# KiCad board ButterStick.kicad_pcb (continued)
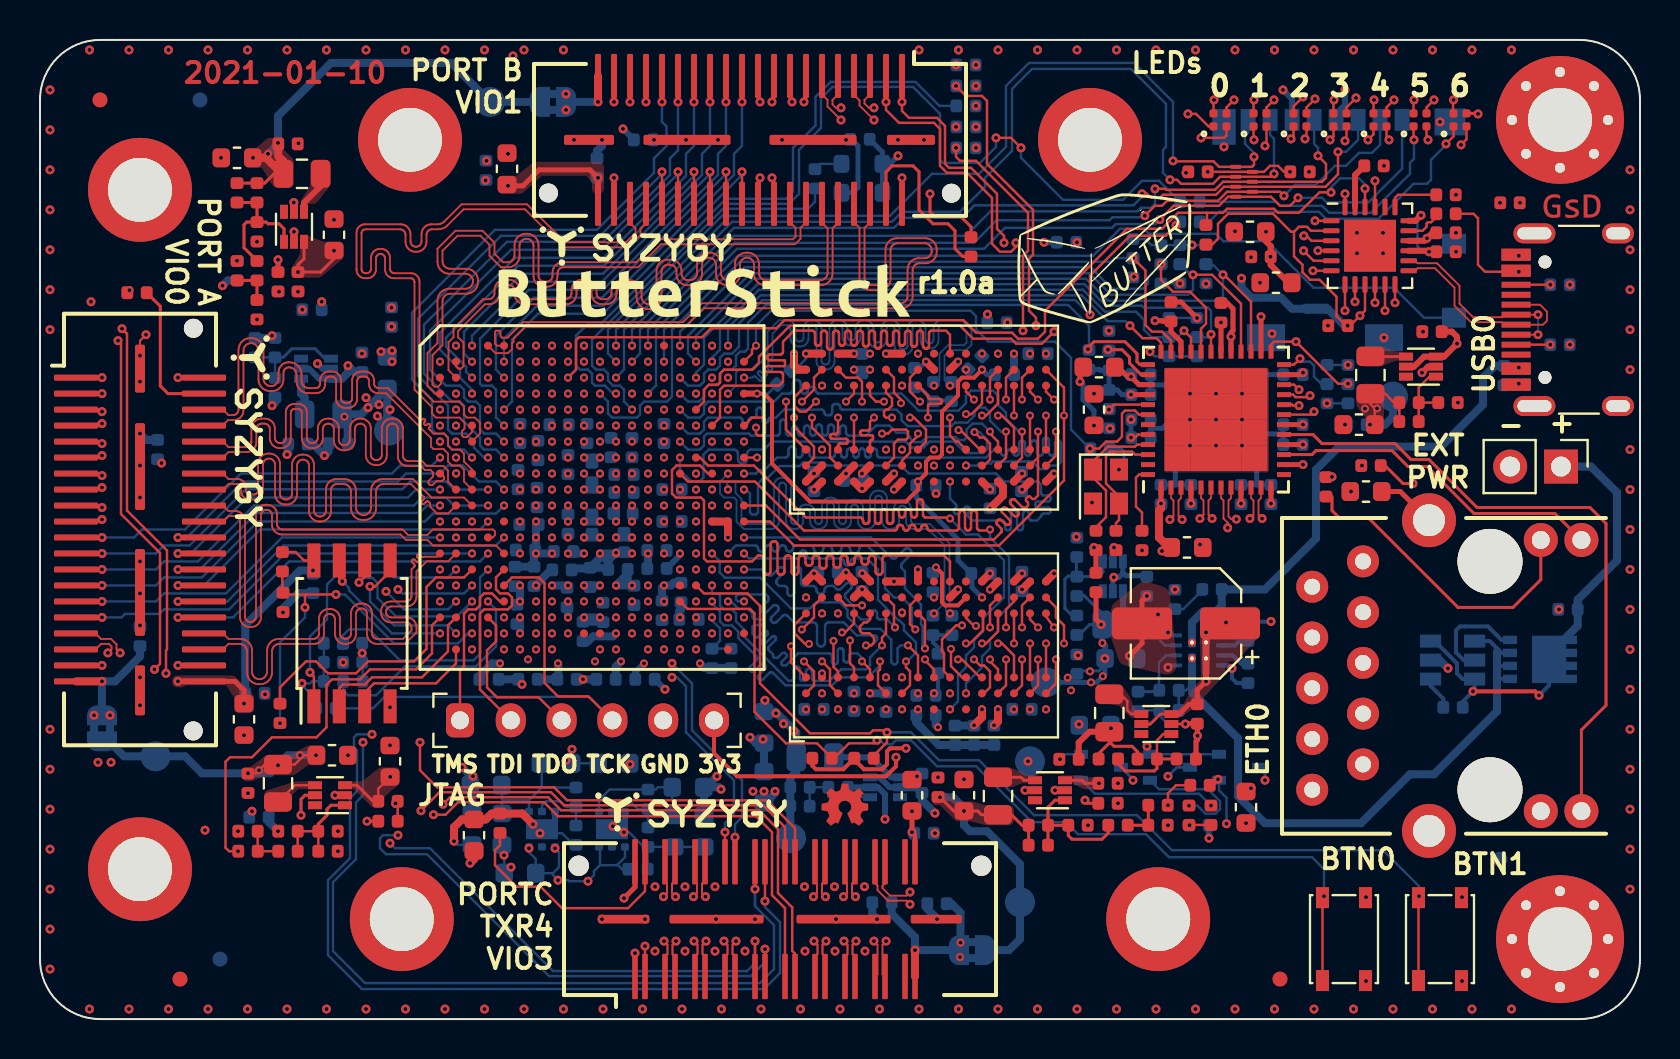
[diagram p0: board, top side]
## Routing (per net, layer and track width the routed paths; a pad name or vN(x,y) marks a point on that pad's centre or on a via; arc(x,y) is an arc through that point) (continued)
/FPGA-DDR3L/A3: length 36.8
  Top w0.12: v2(48.3,29.4) 48.3,28.1 U11.N2 ; U12.N2 48.3,16.7 v2(48.3,18)
  In5.Cu w0.12: v2(48.3,29.4) 48.3,28.7 48.7,28.3 48.7,24.55 48.75,24.5 48.75,20.35 48.7,20.3 48.7,19.4 48.3,19 v2(48.3,18)
  Bottom w0.12: v2(48.3,29.4) 48.05,29.4 47.5,29.95 47.5,30.35 47.25,30.6 46.95,30.6 46.72,30.37 46.72,30.2 46.38,29.85 45.75,29.85 45.57,29.67 43.38,29.67 43.07,29.97 43.07,30.25 42.82,30.5 40.14,30.5 40.11,30.5 40.08,30.51 40.06,30.53 40.04,30.55 40.02,30.58 40.01,30.61 40,30.67 39.99,30.7 39.97,30.73 39.95,30.75 39.93,30.77 39.9,30.78 39.87,30.78 39.75,30.78 39.72,30.78 39.69,30.77 39.67,30.75 39.65,30.73 39.63,30.7 39.62,30.67 39.62,30.64 39.62,30.5 39.6,30.5 39.6,30.36 39.6,30.33 39.59,30.3 39.57,30.27 39.55,30.25 39.53,30.23 39.5,30.22 39.47,30.22 39.35,30.22 39.32,30.22 39.29,30.23 39.27,30.25 39.25,30.27 39.23,30.3 39.22,30.33 39.21,30.39 39.2,30.42 39.18,30.45 39.16,30.47 39.14,30.49 39.11,30.5 39.07,30.5 37.2,30.5 36.8,30.1 36.55,30.1 36.52,30.1 36.5,30.09 36.47,30.07 36.45,30.05 36.44,30.03 36.43,30 36.42,29.95 36.41,29.92 36.4,29.9 36.38,29.88 36.35,29.86 36.33,29.85 36.3,29.85 36.25,29.85 36.22,29.85 36.2,29.86 36.17,29.88 36.15,29.9 36.14,29.92 36.13,29.95 36.12,29.97 36.12,30.45 36.12,30.48 36.11,30.52 36.09,30.54 36.07,30.57 36.04,30.59 36.01,30.6 35.97,30.6 35.94,30.6 35.91,30.59 35.88,30.57 35.86,30.54 35.84,30.52 35.83,30.48 35.82,30.45 35.82,30.25 35.82,30.22 35.81,30.18 35.79,30.16 35.77,30.13 35.74,30.11 35.71,30.1 35.68,30.1 35.57,30.1 35.54,30.1 35.51,30.09 35.48,30.07 35.46,30.04 35.44,30.02 35.43,29.98 35.43,29.95 35.43,29.9 35.42,29.87 35.41,29.83 35.39,29.81 35.37,29.78 35.34,29.76 35.31,29.75 35.28,29.75 35.24,29.75 35.21,29.76 35.18,29.78 35.16,29.81 35.14,29.83 35.13,29.87 35.12,29.9 35.12,29.95 35.12,29.98 35.11,30.02 35.09,30.04 35.07,30.07 35.04,30.09 35.01,30.1 34.97,30.1 33.4,30.1 33.2,29.9 33.2,29.5 33,29.3 32.4,29.3 v2(32,29.7)
/FPGA-DDR3L/A4: length 37
  Top w0.12: U11.P8 48.3,32.1 v2(48.3,31) ; U12.P8 48.7,20.9 48.3,20.5 v2(48.3,19.6)
  In2.Cu w0.12: v2(48.3,31) 48.3,31.2 47.75,31.75 46.4,31.75 45.65,32.5 44.05,32.5 43.65,32.9 43.55,32.9 43.52,32.9 43.48,32.91 43.46,32.93 43.43,32.96 43.41,32.98 43.4,33.02 43.4,33.05 43.4,33.3 43.4,33.33 43.39,33.37 43.37,33.39 43.34,33.42 43.32,33.44 43.28,33.45 43.25,33.45 43.22,33.45 43.18,33.44 43.16,33.42 43.13,33.39 43.11,33.37 43.1,33.33 43.1,33.3 43.1,32.55 43.1,32.52 43.09,32.48 43.07,32.46 43.04,32.43 43.02,32.41 42.98,32.4 42.95,32.4 42.92,32.4 42.88,32.41 42.86,32.43 42.83,32.46 42.81,32.48 42.8,32.52 42.8,32.55 42.8,32.75 42.8,32.78 42.79,32.82 42.77,32.84 42.74,32.87 42.72,32.89 42.68,32.9 42.65,32.9 40.35,32.9 40.18,32.72 40.18,32.47 39.97,32.27 39.8,32.27 39.75,32.32 39.75,32.5 39.65,32.6 39.45,32.6 39.44,32.6 39.43,32.6 39.42,32.59 39.41,32.58 39.4,32.57 39.4,32.56 39.4,32.55 39.4,32.3 39.4,32.27 39.39,32.23 39.37,32.21 39.34,32.18 39.32,32.16 39.28,32.15 39.25,32.15 39.22,32.15 39.18,32.16 39.16,32.18 39.13,32.21 39.11,32.23 39.1,32.27 39.1,32.3 39.1,32.55 39.1,32.56 39.1,32.57 39.09,32.58 39.08,32.59 39.07,32.6 39.06,32.6 39.05,32.6 38.85,32.6 38.84,32.6 38.83,32.6 38.82,32.59 38.81,32.58 38.8,32.57 38.8,32.56 38.8,32.55 38.8,32.1 38.8,32.07 38.79,32.03 38.77,32.01 38.74,31.98 38.72,31.96 38.68,31.95 38.65,31.95 38.62,31.95 38.58,31.96 38.56,31.98 38.53,32.01 38.51,32.03 38.5,32.07 38.5,32.1 38.5,32.35 38.5,32.38 38.49,32.42 38.47,32.44 38.44,32.47 38.42,32.49 38.38,32.5 38.35,32.5 37.8,32.5 37.57,32.27 37.55,32.25 37.54,32.22 37.53,32.19 37.53,32.15 37.54,32.12 37.55,32.09 37.58,32.06 38.03,31.6 38.06,31.58 38.07,31.55 38.08,31.51 38.08,31.48 38.07,31.45 38.06,31.42 38.03,31.39 38.01,31.37 37.98,31.36 37.95,31.35 37.91,31.35 37.88,31.36 37.85,31.37 37.82,31.39 37.36,31.85 37.34,31.87 37.31,31.89 37.27,31.89 37.24,31.89 37.21,31.89 37.18,31.87 37.15,31.85 36.72,31.42 36.72,31.12 35.3,29.7 v2(34.4,29.7)
  In5.Cu w0.12: v2(48.3,19.6) 48.3,20.5 48.45,20.65 48.45,24.05 48.3,24.2 48.3,28.2 47.9,28.6 47.9,29.6 48.3,30 v2(48.3,31)
/FPGA-DDR3L/A5: length 37.5
  Top w0.12: U11.P2 49.1,28.1 v2(49.1,29.4) ; v2(49.1,18) 49.1,16.7 U12.P2
  In5.Cu w0.12: v2(49.1,18) 49.1,19 49.5,19.4 49.5,20.25 49.9,20.65 49.9,27.65 49.5,28.05 49.5,28.3 49.1,28.7 v2(49.1,29.4)
  Bottom w0.12: v2(49.1,29.4) 48.95,29.4 48.3,30.05 48.3,30.35 47.9,30.75 47.9,31.2 47.65,31.45 46.55,31.45 46.3,31.2 46.3,30.82 45.93,30.45 43.93,30.45 43.07,31.3 38.95,31.3 38.92,31.3 38.88,31.32 38.85,31.34 38.82,31.36 38.8,31.39 38.79,31.43 38.78,31.5 38.77,31.54 38.75,31.57 38.72,31.6 38.69,31.62 38.66,31.63 38.62,31.63 38.56,31.63 38.53,31.63 38.49,31.62 38.46,31.6 38.43,31.57 38.41,31.54 38.4,31.5 38.39,31.43 38.38,31.39 38.36,31.36 38.33,31.34 38.3,31.32 38.27,31.3 38.23,31.3 38.19,31.3 38.15,31.32 38.11,31.34 38.08,31.37 38.05,31.41 38.04,31.45 38.03,31.49 38.03,31.79 38.03,31.83 38.02,31.87 37.99,31.91 37.96,31.94 37.92,31.97 37.88,31.98 37.84,31.98 37.8,31.98 37.76,31.97 37.72,31.94 37.69,31.91 37.66,31.87 37.65,31.83 37.65,31.79 37.65,31.49 37.64,31.45 37.63,31.41 37.6,31.37 37.57,31.34 37.53,31.32 37.49,31.3 37.45,31.3 37.1,31.3 36.7,30.9 33.4,30.9 33.2,30.7 33.2,30.3 33,30.1 32.4,30.1 v2(32,30.5)
/FPGA-DDR3L/A6: length 37.3
  Top w0.12: U11.R8 49.1,32.1 v2(49.1,31) ; v2(49.1,19.6) 49.1,20.7 U12.R8
  In2.Cu w0.12: v2(32.8,29.7) 33.2,30.1 35.35,30.1 36.35,31.1 36.35,31.45 37.8,32.9 39.7,32.9 40.55,33.75 44.45,33.75 44.48,33.75 44.52,33.74 44.54,33.72 44.57,33.69 44.59,33.67 44.6,33.63 44.6,33.6 44.6,33.3 44.6,33.27 44.61,33.23 44.63,33.21 44.66,33.18 44.68,33.16 44.72,33.15 44.75,33.15 44.78,33.15 44.82,33.16 44.84,33.18 44.87,33.21 44.89,33.23 44.9,33.27 44.9,33.3 44.9,33.6 44.9,33.63 44.91,33.67 44.93,33.69 44.96,33.72 44.98,33.74 45.02,33.75 45.05,33.75 45.08,33.75 45.12,33.74 45.14,33.72 45.17,33.69 45.19,33.67 45.2,33.63 45.2,33.6 45.2,33.15 45.2,33.12 45.21,33.08 45.23,33.06 45.26,33.03 45.28,33.01 45.32,33 45.35,33 45.38,33 45.42,33.01 45.44,33.03 45.47,33.06 45.49,33.08 45.5,33.12 45.5,33.15 45.5,33.6 45.5,33.63 45.51,33.67 45.53,33.69 45.56,33.72 45.58,33.74 45.62,33.75 45.65,33.75 45.7,33.75 46.7,32.75 46.7,32.25 46.82,32.12 48.22,32.12 49.1,31.25 v2(49.1,31)
  In5.Cu w0.12: v2(49.1,31) 49.1,29.95 48.7,29.55 48.7,28.7 49.15,28.25 49.15,27.9 49.5,27.55 49.5,21 49.1,20.6 v2(49.1,19.6)
/FPGA-DDR3L/A7: length 38.6
  Top w0.12: U12.R2 49.9,16.7 v2(49.9,18) ; 49.9,28.1 49.9,26.2 49.72,26.02 49.62,26.02 49.5,26.15 49.4,26.15 49.3,26.05 49.3,25.95 49.4,25.85 49.4,25.7 49.32,25.62 49.3,25.6 49.27,25.59 49.23,25.58 49.2,25.58 49.17,25.59 49.14,25.6 49.11,25.62 48.76,25.98 48.73,26 48.7,26.01 48.67,26.02 48.63,26.02 48.6,26.01 48.57,26 48.54,25.98 48.52,25.95 48.51,25.92 48.5,25.89 48.5,25.85 48.51,25.82 48.52,25.79 48.54,25.76 48.9,25.41 48.92,25.38 48.93,25.35 48.94,25.32 48.94,25.29 48.93,25.26 48.92,25.22 48.9,25.2 48.87,25.18 48.84,25.16 48.81,25.16 48.78,25.16 48.74,25.16 48.71,25.18 48.69,25.2 48.33,25.55 48.31,25.57 48.28,25.59 48.24,25.6 48.21,25.6 48.18,25.59 48.15,25.57 48.12,25.55 48.1,25.53 48.09,25.5 48.08,25.46 48.08,25.43 48.09,25.4 48.1,25.37 48.12,25.34 48.47,24.99 48.5,24.96 48.51,24.93 48.52,24.9 48.52,24.86 48.51,24.83 48.5,24.8 48.47,24.77 48.45,24.75 48.42,24.74 48.38,24.73 48.35,24.73 48.32,24.74 48.29,24.75 48.26,24.77 48.09,24.95 48.06,24.97 48.03,24.99 48,24.99 47.96,24.99 47.93,24.99 47.9,24.97 47.87,24.95 47.85,24.92 47.84,24.89 47.83,24.86 47.83,24.83 47.84,24.8 47.85,24.77 47.87,24.74 48.05,24.56 48.07,24.54 48.09,24.51 48.09,24.47 48.09,24.44 48.09,24.41 48.07,24.38 48.05,24.35 47.7,24 38,24 36.3,25.7 U4.L20 ; 49.9,28.1 v2(49.9,29.4) ; 49.9,28.1 U11.R2
  In5.Cu w0.12: v2(49.9,18) 49.9,19 50.3,19.4 50.3,19.95 50.85,20.5 50.85,21 51.2,21.35 51.2,23.5 51,23.7 51,25.1 51.2,25.3 51.2,27.7 49.9,29 v2(49.9,29.4)
/FPGA-DDR3L/A8: length 37.8
  Top w0.12: v2(51.2,18.8) 51.2,19.7 50.8,20.1 50.8,20.6 U12.T8 ; U4.M20 36.5,24.9 37.7,23.7 47.95,23.7 51.2,26.95 v2(51.2,30.2) 51.2,31.6 U11.T8
  In2.Cu w0.12: v2(51.2,18.8) v2(51.2,30.2)
/FPGA-DDR3L/A9: length 37.1
  Top w0.12: U12.R3 v2(49.5,18.8) ; U11.R3 v2(49.5,30.2)
  In2.Cu w0.12: v2(49.5,18.8) 49.7,18.8 50.3,19.4 50.3,20.15 49.5,20.95 v2(49.5,30.2)
  In5.Cu w0.12: v2(33.6,30.5) 34,30.9 34.6,30.9 34.8,31.1 34.8,32.3 35,32.5 35.9,32.5 37.45,34.05 39.55,34.05 40.1,34.6 42.9,34.6 43.1,34.4 47.6,34.4 48.3,33.7 48.3,32.45 49.5,31.25 v2(49.5,30.2)
/FPGA-DDR3L/A10: length 37.1
  Top w0.12: v2(46.7,31) 46.3,31.4 U11.L7 ; v2(46.8,19.67) 46.7,19.67 46.3,20.07 U12.L7
  In2.Cu w0.12: v2(33.6,28.9) 33.45,28.9 33.05,28.5 32.6,28.5 32.4,28.7 32.4,29.1 32.6,29.3 35.45,29.3 35.55,29.2 35.95,29.2 36.2,29.45 36.45,29.45 36.48,29.45 36.52,29.44 36.54,29.42 36.57,29.39 36.59,29.37 36.6,29.33 36.6,29.3 36.6,29.1 36.6,29.07 36.61,29.03 36.63,29.01 36.66,28.98 36.68,28.96 36.72,28.95 36.75,28.95 36.78,28.95 36.82,28.96 36.84,28.98 36.87,29.01 36.89,29.03 36.9,29.07 36.9,29.1 36.9,30.05 36.9,30.08 36.91,30.12 36.93,30.14 36.96,30.17 36.98,30.19 37.02,30.2 37.05,30.2 37.08,30.2 37.12,30.19 37.14,30.17 37.17,30.14 37.19,30.12 37.2,30.08 37.2,30.05 37.2,29.1 37.2,29.07 37.21,29.03 37.23,29.01 37.26,28.98 37.28,28.96 37.32,28.95 37.35,28.95 37.38,28.95 37.42,28.96 37.44,28.98 37.47,29.01 37.49,29.03 37.5,29.07 37.5,29.1 37.5,29.55 37.5,29.57 37.51,29.59 37.52,29.61 37.54,29.63 37.56,29.64 37.58,29.65 37.6,29.65 37.7,29.65 37.72,29.65 37.74,29.64 37.76,29.63 37.78,29.61 37.79,29.59 37.8,29.57 37.8,29.55 37.8,29.37 37.8,29.36 37.81,29.34 37.82,29.33 37.83,29.32 37.84,29.31 37.86,29.3 37.88,29.3 38.03,29.3 38.04,29.3 38.06,29.31 38.07,29.32 38.08,29.33 38.09,29.34 38.1,29.36 38.1,29.37 38.1,29.6 38.1,29.63 38.11,29.67 38.13,29.69 38.16,29.72 38.18,29.74 38.22,29.75 38.25,29.75 38.28,29.75 38.32,29.74 38.34,29.72 38.37,29.69 38.39,29.67 38.4,29.63 38.4,29.6 38.4,29.4 38.4,29.39 38.4,29.38 38.41,29.37 38.42,29.36 38.43,29.35 38.44,29.35 38.45,29.35 38.65,29.35 38.66,29.35 38.67,29.35 38.68,29.36 38.69,29.37 38.7,29.38 38.7,29.39 38.7,29.4 38.7,29.57 38.7,29.6 38.71,29.63 38.73,29.65 38.75,29.67 38.77,29.69 38.8,29.7 38.82,29.7 38.88,29.7 38.9,29.7 38.93,29.69 38.95,29.67 38.97,29.65 38.99,29.63 39,29.6 39,29.57 39,29.4 39,29.39 39,29.38 39.01,29.37 39.02,29.36 39.03,29.35 39.04,29.35 39.05,29.35 39.25,29.35 39.26,29.35 39.27,29.35 39.28,29.36 39.29,29.37 39.3,29.38 39.3,29.39 39.3,29.4 39.3,29.7 39.3,29.73 39.31,29.77 39.33,29.79 39.36,29.82 39.38,29.84 39.42,29.85 39.45,29.85 39.48,29.85 39.52,29.84 39.54,29.82 39.57,29.79 39.59,29.77 39.6,29.73 39.6,29.7 39.6,29.6 39.6,29.57 39.61,29.53 39.63,29.51 39.66,29.48 39.68,29.46 39.72,29.45 39.75,29.45 40,29.45 40.3,29.75 40.3,30.3 40.7,30.7 40.7,31.1 40.9,31.3 46,31.3 46.3,31 v2(46.7,31)
  In5.Cu w0.12: v2(46.8,19.67) 46.8,20.05 46.3,20.55 46.3,26.8 46.8,27.3 46.8,28.15 46.3,28.65 46.3,29.55 46.7,29.95 v2(46.7,31)
/FPGA-DDR3L/A11: length 37.1
  Top w0.12: U11.R7 49.5,31.4 v2(49.9,31) ; U12.R7 49.5,20 v2(49.9,19.6)
  In2.Cu w0.12: v2(49.9,31) 49.9,31.3 49.77,31.43 49.75,31.45 49.72,31.46 49.68,31.47 49.65,31.47 49.62,31.46 49.59,31.45 49.54,31.41 49.5,31.39 49.47,31.38 49.44,31.38 49.41,31.39 49.38,31.41 49.35,31.43 49.33,31.45 49.31,31.48 49.31,31.52 49.31,31.55 49.31,31.58 49.33,31.61 49.35,31.64 49.54,31.83 49.56,31.85 49.57,31.88 49.58,31.91 49.58,31.94 49.57,31.96 49.56,31.99 49.54,32.01 49.51,32.05 49.49,32.06 49.46,32.07 49.43,32.08 49.41,32.08 49.38,32.07 49.35,32.06 49.33,32.05 49.14,31.85 49.11,31.83 49.08,31.82 49.05,31.81 49.01,31.81 48.98,31.82 48.95,31.83 48.93,31.85 48.9,31.88 48.89,31.91 48.88,31.94 48.88,31.97 48.89,32.01 48.9,32.04 48.95,32.09 48.96,32.12 48.97,32.15 48.97,32.19 48.96,32.22 48.95,32.25 48.93,32.27 48.8,32.4 47.75,32.4 47.28,32.87 46.97,32.87 45.8,34.05 39.8,34.05 39.77,34.05 39.73,34.04 39.71,34.02 39.68,33.99 39.66,33.97 39.65,33.93 39.65,33.9 39.65,33.35 39.65,33.32 39.64,33.28 39.62,33.26 39.59,33.23 39.57,33.21 39.53,33.2 39.5,33.2 39.47,33.2 39.43,33.21 39.41,33.23 39.38,33.26 39.36,33.28 39.35,33.32 39.35,33.35 39.35,33.9 39.35,33.93 39.34,33.97 39.32,33.99 39.29,34.02 39.27,34.04 39.23,34.05 39.2,34.05 39.17,34.05 39.13,34.04 39.11,34.02 39.08,33.99 39.06,33.97 39.05,33.93 39.05,33.9 39.05,33.35 39.05,33.32 39.04,33.28 39.02,33.26 38.99,33.23 38.97,33.21 38.93,33.2 38.9,33.2 38.87,33.2 38.83,33.21 38.81,33.23 38.78,33.26 38.76,33.28 38.75,33.32 38.75,33.35 38.75,33.9 38.75,33.93 38.74,33.97 38.72,33.99 38.69,34.02 38.67,34.04 38.63,34.05 38.6,34.05 38.57,34.05 38.53,34.04 38.51,34.02 38.48,33.99 38.46,33.97 38.45,33.93 38.45,33.87 38.44,33.83 38.42,33.81 38.39,33.78 38.37,33.76 38.33,33.75 38.3,33.75 38.27,33.75 38.23,33.76 38.21,33.78 38.18,33.81 38.16,33.83 38.15,33.87 38.15,33.93 38.14,33.97 38.12,33.99 38.09,34.02 38.07,34.04 38.03,34.05 38,34.05 37.8,34.05 35.45,31.7 34,31.7 v2(33.6,31.3)
  In5.Cu w0.12: v2(49.9,19.6) 49.9,20.05 50.3,20.45 50.3,27.9 49.5,28.7 49.5,29.6 49.9,30 v2(49.9,31)
/FPGA-DDR3L/A12: length 37.1
  Top w0.12: v2(47.1,18.8) 47.3,18.8 47.9,19.4 U12.N7 ; v2(47.1,30.2) 47.3,30.2 47.9,30.8 U11.N7
  In2.Cu w0.12: v2(47.1,18.8) 47.3,18.8 47.9,19.4 47.9,23 47.1,23.8 v2(47.1,30.2)
  In5.Cu w0.12: v2(33.6,28.1) 33.6,27.8 33.5,27.7 32.93,27.7 32.82,27.8 32.82,28.2 33.2,28.57 33.2,29.05 33.45,29.3 33.8,29.3 33.9,29.2 34.1,29.2 34.2,29.3 34.6,29.3 34.93,29.62 34.93,29.92 35.05,30.05 35.35,30.05 35.75,30.45 35.75,30.62 36.91,31.79 37.24,31.79 38.15,32.7 39.5,32.7 40.5,33.7 42.5,33.7 42.7,33.5 43.35,33.5 43.45,33.4 43.45,33.1 44.1,32.45 45.75,32.45 46.2,32 46.35,32 47.1,31.25 v2(47.1,30.2)
/FPGA-DDR3L/A13: length 37.1
  Top w0.12: U11.T3 v2(50.3,30.2) ; U12.T3 v2(50.3,18.8)
  In5.Cu w0.12: v2(33.6,32.1) 33.8,32.1 34.2,32.5 34.6,32.5 34.9,32.8 35.5,32.8 37.15,34.45 39.43,34.45 39.85,34.87 47.68,34.87 49.1,33.45 49.1,32.35 50.3,31.15 v2(50.3,30.2) 50.3,29.25 51.55,28 51.55,25.25 51.3,25 51.3,23.8 51.55,23.55 51.55,21.05 51.2,20.7 51.2,19.5 50.5,18.8 v2(50.3,18.8)
/FPGA-DDR3L/A14: length 36.7
  Top w0.12: U12.T7 50.3,20.15 v2(50.7,19.6) ; v2(50.7,31) 50.3,31.4 U11.T7
  In2.Cu w0.12: v2(50.7,19.6) 50.7,21.35 50.3,21.75 50.3,29.55 50.7,29.95 v2(50.7,31) 50.7,31.25 50.45,31.5 50.43,31.53 50.41,31.56 50.41,31.59 50.41,31.62 50.41,31.66 50.43,31.69 50.45,31.71 50.69,31.95 50.71,31.98 50.73,32.01 50.73,32.04 50.73,32.08 50.73,32.11 50.71,32.14 50.69,32.17 50.67,32.19 50.63,32.2 50.6,32.21 50.57,32.21 50.54,32.2 50.51,32.19 50.48,32.17 50.24,31.92 50.21,31.9 50.18,31.89 50.15,31.88 50.12,31.88 50.08,31.89 50.05,31.9 50.03,31.92 50,31.95 49.99,31.98 49.98,32.01 49.98,32.05 49.99,32.08 50,32.11 50.03,32.14 50.23,32.34 50.25,32.37 50.27,32.4 50.27,32.43 50.27,32.47 50.27,32.5 50.25,32.53 50.23,32.55 50.21,32.58 50.18,32.59 50.14,32.6 50.11,32.6 50.08,32.59 50.05,32.58 50.02,32.55 49.81,32.35 49.79,32.33 49.76,32.31 49.72,32.31 49.69,32.31 49.66,32.31 49.63,32.33 49.6,32.35 49.25,32.7 47.8,32.7 47.5,33 47.5,33.5 46.65,34.35 37.5,34.35 35.65,32.5 33.35,32.5 33.2,32.35 33.2,31.7 v2(32.8,31.3)
/FPGA-DDR3L/A15: length 37.1
  Top w0.12: v2(46.3,30.27) 46.57,30.27 47.1,30.8 U11.M7 ; v2(46.3,18.8) 46.5,18.8 47.15,19.45 47.15,20.25 U12.M7
  In2.Cu w0.12: v2(46.3,30.27) 46.3,29 46.7,28.6 46.7,20.82 47.15,20.37 47.15,19.45 46.5,18.8 v2(46.3,18.8)
  In5.Cu w0.12: v2(46.3,30.27) 46.3,31.5 45.65,32.15 43.75,32.15 43.72,32.15 43.68,32.16 43.66,32.18 43.63,32.21 43.61,32.23 43.6,32.27 43.6,32.3 43.6,32.5 43.6,32.53 43.59,32.57 43.57,32.59 43.54,32.62 43.52,32.64 43.48,32.65 43.45,32.65 43.42,32.65 43.38,32.64 43.36,32.62 43.33,32.59 43.31,32.57 43.3,32.53 43.3,32.5 43.3,32.3 43.3,32.27 43.29,32.23 43.27,32.21 43.24,32.18 43.22,32.16 43.18,32.15 43.15,32.15 43.12,32.15 43.08,32.16 43.06,32.18 43.03,32.21 43.01,32.23 43,32.27 43,32.3 43,33 43,33.03 42.99,33.07 42.97,33.09 42.94,33.12 42.92,33.14 42.88,33.15 42.85,33.15 42.7,33.15 42.6,33.05 42.6,32.75 42.47,32.62 42.05,32.62 41.78,32.9 40.4,32.9 39.93,32.42 38.53,32.42 37.62,31.52 37.03,31.52 35.97,30.47 35.97,30.32 34.8,29.15 34.8,28.72 34.57,28.5 34.18,28.5 34,28.32 34,27.87 34.18,27.7 34.88,27.7 35.05,27.87 35.05,28.4 35.2,28.55 v2(35.2,28.9)
/FPGA-DDR3L/BA0: length 37.4
  Top w0.12: v2(46.7,18) 47,17.7 47.2,17.7 47.5,17.4 47.5,16.6 47.2,16.3 U12.M2 ; v2(46.72,29.37) 47,29.1 47.2,29.1 47.5,28.8 47.5,28 47.2,27.7 U11.M2
  In5.Cu w0.12: v2(46.72,29.37) 46.72,28.97 46.85,28.85 46.85,28.5 47.15,28.2 47.15,27.2 46.7,26.75 46.7,20.75 47.15,20.3 47.15,19.45 46.7,19 v2(46.7,18)
  Bottom w0.12: v2(32,28.1) 32,27.47 32.57,26.9 32.97,26.9 33.18,27.1 33.18,28.25 33.43,28.5 34.68,28.5 34.73,28.49 34.77,28.48 34.82,28.45 34.85,28.42 34.88,28.37 34.89,28.33 34.9,28.27 34.9,28.02 34.91,27.97 34.92,27.93 34.95,27.88 34.98,27.85 35.03,27.82 35.07,27.81 35.12,27.8 35.18,27.81 35.22,27.82 35.27,27.85 35.3,27.88 35.33,27.93 35.34,27.97 35.35,28.02 35.35,28.27 35.36,28.33 35.37,28.37 35.4,28.42 35.43,28.45 35.48,28.48 35.52,28.49 35.57,28.5 36.2,28.5 36.6,28.9 43.29,28.9 43.59,28.6 44.18,28.6 44.47,28.9 45.7,28.9 46.28,28.32 47.15,28.32 47.35,28.52 47.35,29 46.97,29.37 v2(46.72,29.37)
/FPGA-DDR3L/BA1: length 36.9
  Top w0.12: v2(47.5,31) 47.5,32.1 U11.N8 ; U12.N8 47.5,20.7 v2(47.5,19.6) ; U4.F20 35.6,30.1 36.15,30.1 36.25,30 36.25,29.35 36.1,29.2 35.9,29.2 35.8,29.3 v2(35.8,29.6)
  In2.Cu w0.12: v2(35.8,29.6) 35.9,29.6 36.1,29.8 36.13,29.82 36.16,29.83 36.19,29.84 36.22,29.84 36.25,29.83 36.28,29.82 36.34,29.78 36.37,29.76 36.4,29.76 36.43,29.76 36.47,29.76 36.5,29.78 36.52,29.8 36.54,29.83 36.56,29.86 36.57,29.89 36.57,29.92 36.56,29.95 36.54,29.98 36.52,30.01 36.35,30.19 36.33,30.21 36.32,30.23 36.32,30.25 36.32,30.27 36.32,30.29 36.33,30.31 36.35,30.33 36.42,30.4 36.43,30.41 36.45,30.42 36.48,30.43 36.5,30.43 36.52,30.42 36.54,30.41 36.58,30.39 36.6,30.38 36.62,30.37 36.64,30.37 36.66,30.38 36.68,30.39 36.7,30.4 36.8,30.5 39.35,30.5 40.21,31.36 40.23,31.37 40.25,31.39 40.28,31.39 40.31,31.39 40.34,31.39 40.36,31.37 40.4,31.34 40.43,31.33 40.46,31.32 40.49,31.32 40.51,31.33 40.54,31.34 40.56,31.36 40.6,31.39 40.61,31.41 40.62,31.44 40.63,31.47 40.63,31.49 40.62,31.52 40.61,31.55 40.6,31.57 40.33,31.83 40.31,31.86 40.29,31.89 40.29,31.92 40.29,31.96 40.29,31.99 40.31,32.02 40.33,32.05 40.36,32.07 40.39,32.08 40.42,32.09 40.45,32.09 40.49,32.08 40.52,32.07 40.54,32.05 40.61,31.97 40.64,31.95 40.67,31.94 40.7,31.93 40.74,31.93 40.77,31.94 40.8,31.95 40.82,31.97 40.95,32.1 41.15,32.1 41.18,32.1 41.22,32.09 41.24,32.07 41.27,32.04 41.29,32.02 41.3,31.98 41.3,31.95 41.3,31.75 41.3,31.72 41.31,31.68 41.33,31.66 41.36,31.63 41.38,31.61 41.42,31.6 41.45,31.6 41.48,31.6 41.52,31.61 41.54,31.63 41.57,31.66 41.59,31.68 41.6,31.72 41.6,31.75 41.6,31.95 41.6,31.98 41.61,32.02 41.63,32.04 41.66,32.07 41.68,32.09 41.72,32.1 41.75,32.1 41.78,32.1 41.82,32.09 41.84,32.07 41.87,32.04 41.89,32.02 41.9,31.98 41.9,31.95 41.9,31.75 41.9,31.72 41.91,31.68 41.93,31.66 41.96,31.63 41.98,31.61 42.02,31.6 42.05,31.6 42.08,31.6 42.12,31.61 42.14,31.63 42.17,31.66 42.19,31.68 42.2,31.72 42.2,31.75 42.2,32.45 42.2,32.48 42.21,32.52 42.23,32.54 42.26,32.57 42.28,32.59 42.32,32.6 42.35,32.6 42.38,32.6 42.42,32.59 42.44,32.57 42.47,32.54 42.49,32.52 42.5,32.48 42.5,32.45 42.5,32.25 42.5,32.22 42.51,32.18 42.53,32.16 42.56,32.13 42.58,32.11 42.62,32.1 42.65,32.1 43.3,32.1 43.31,32.1 43.32,32.1 43.33,32.11 43.34,32.12 43.35,32.13 43.35,32.14 43.35,32.16 43.35,32.17 43.36,32.18 43.37,32.19 43.38,32.2 43.39,32.2 43.4,32.2 43.6,32.2 43.61,32.2 43.62,32.2 43.63,32.19 43.64,32.18 43.65,32.17 43.65,32.16 43.65,32.15 43.65,31.75 43.65,31.72 43.66,31.68 43.68,31.66 43.71,31.63 43.73,31.61 43.77,31.6 43.8,31.6 43.83,31.6 43.87,31.61 43.89,31.63 43.92,31.66 43.94,31.68 43.95,31.72 43.95,31.75 43.95,32.15 43.95,32.16 43.95,32.17 43.96,32.18 43.97,32.19 43.98,32.2 43.99,32.2 44,32.2 44.2,32.2 44.21,32.2 44.22,32.2 44.23,32.19 44.24,32.18 44.25,32.17 44.25,32.16 44.25,32.14 44.25,32.13 44.26,32.12 44.27,32.11 44.28,32.1 44.29,32.1 44.3,32.1 45.65,32.1 46.25,31.5 47.25,31.5 47.5,31.25 v2(47.5,31)
  In5.Cu w0.12: v2(47.5,19.6) 47.5,20.75 47.9,21.15 47.9,22.95 47.1,23.75 47.1,26.75 47.5,27.15 47.5,28.2 47.1,28.6 47.1,29.65 47.5,30.05 v2(47.5,31)
/FPGA-DDR3L/BA2: length 36.9
  Top w0.12: U4.H20 v2(35.85,28.1) ; v2(45.93,29.47) 46.03,29.47 47,28.5 U11.M3 ; v2(45.9,18) 46.1,18 47,17.1 U12.M3
  In5.Cu w0.12: v2(35.85,28.1) 35.85,27.85 36,27.7 36,26.9 35.9,26.8 35.75,26.8 35.7,26.85 35.7,27.55 35.35,27.9 35.35,28.35 36.05,29.05 36.05,29.25 36.25,29.45 36.25,30.4 37.15,31.3 38.1,31.3 38.9,32.1 40.2,32.1 41,31.3 41.3,31.3 41.33,31.3 41.37,31.31 41.39,31.33 41.42,31.36 41.44,31.38 41.45,31.42 41.45,31.45 41.45,31.9 41.45,31.93 41.46,31.97 41.48,31.99 41.51,32.02 41.53,32.04 41.57,32.05 41.6,32.05 41.63,32.05 41.67,32.04 41.69,32.02 41.72,31.99 41.74,31.97 41.75,31.93 41.75,31.9 41.75,31.45 41.75,31.42 41.76,31.38 41.78,31.36 41.81,31.33 41.83,31.31 41.87,31.3 41.9,31.3 41.93,31.3 41.97,31.31 41.99,31.33 42.02,31.36 42.04,31.38 42.05,31.42 42.05,31.45 42.05,31.75 42.05,31.78 42.06,31.82 42.08,31.84 42.11,31.87 42.13,31.89 42.17,31.9 42.2,31.9 42.23,31.9 42.27,31.89 42.29,31.87 42.32,31.84 42.34,31.82 42.35,31.78 42.35,31.75 42.35,31.45 42.35,31.42 42.36,31.38 42.38,31.36 42.41,31.33 42.43,31.31 42.47,31.3 42.5,31.3 43.65,31.3 43.68,31.3 43.72,31.31 43.74,31.33 43.77,31.36 43.79,31.38 43.8,31.42 43.8,31.45 43.8,31.7 43.8,31.73 43.81,31.77 43.83,31.79 43.86,31.82 43.88,31.84 43.92,31.85 43.95,31.85 43.98,31.85 44.02,31.84 44.04,31.82 44.07,31.79 44.09,31.77 44.1,31.73 44.1,31.7 44.1,31.45 44.1,31.42 44.11,31.38 44.13,31.36 44.16,31.33 44.18,31.31 44.22,31.3 44.25,31.3 45.35,31.3 45.93,30.72 v2(45.93,29.47) 45.9,29.45 45.9,22.2 45.55,21.85 45.55,21.2 45.93,20.82 45.93,20.47 46.45,19.95 46.45,19.48 45.9,18.93 v2(45.9,18)
/FPGA-DDR3L/CAS: length 36.7
  Top w0.12: v2(46.1,19.7) 45.8,19.7 45.1,19 45.1,18.4 45.2,18.3 45.2,17.4 U12.K3
  In2.Cu w0.12: v2(46.1,19.7) 46.1,20.6 45.25,21.45 45.25,23.05 45,23.3 45,25.75 45.2,25.95 45.2,26.5 45.12,26.57 45.12,28.12 v2(45.5,28.5) 44.3,29.7 41.5,29.7 41.43,29.62 41.41,29.6 41.4,29.58 41.39,29.55 41.39,29.52 41.4,29.5 41.41,29.47 41.43,29.45 41.6,29.27 41.62,29.25 41.63,29.22 41.64,29.2 41.64,29.17 41.63,29.14 41.62,29.12 41.6,29.09 41.58,29.08 41.55,29.07 41.53,29.06 41.5,29.06 41.47,29.07 41.45,29.08 41.43,29.09 41.25,29.27 41.23,29.29 41.2,29.3 41.17,29.31 41.15,29.31 41.12,29.3 41.09,29.29 41.07,29.27 41.05,29.25 41.04,29.22 41.04,29.2 41.04,29.17 41.04,29.14 41.05,29.12 41.07,29.09 41.25,28.92 41.27,28.9 41.28,28.87 41.28,28.84 41.28,28.82 41.28,28.79 41.27,28.76 41.25,28.74 41.23,28.72 41.2,28.71 41.17,28.71 41.15,28.71 41.12,28.71 41.09,28.72 41.07,28.74 40.89,28.92 40.87,28.94 40.85,28.95 40.82,28.95 40.79,28.95 40.76,28.95 40.74,28.94 40.72,28.92 40.7,28.9 40.69,28.87 40.68,28.84 40.68,28.82 40.69,28.79 40.7,28.76 40.72,28.74 41.18,28.28 41.19,28.26 41.21,28.23 41.21,28.21 41.21,28.18 41.21,28.15 41.19,28.13 41.18,28.1 41.16,28.09 41.13,28.08 41.1,28.07 41.08,28.07 41.05,28.08 41.02,28.09 41,28.1 40.36,28.74 40.34,28.76 40.32,28.77 40.29,28.78 40.26,28.78 40.23,28.77 40.21,28.76 40.19,28.74 40.17,28.72 40.16,28.69 40.15,28.67 40.15,28.64 40.16,28.61 40.17,28.59 40.19,28.56 40.86,27.89 40.88,27.87 40.89,27.85 40.9,27.82 40.9,27.79 40.89,27.76 40.88,27.74 40.86,27.72 40.84,27.7 40.81,27.69 40.78,27.68 40.76,27.68 40.73,27.69 40.7,27.7 40.68,27.72 40.19,28.21 40.17,28.23 40.14,28.24 40.11,28.25 40.09,28.25 40.06,28.24 40.03,28.23 40.01,28.21 39.9,28.1 39.33,28.1 39.3,28.1 39.27,28.09 39.24,28.07 39.22,28.05 39.2,28.02 39.19,27.99 39.19,27.95 39.19,27.79 39.18,27.76 39.17,27.73 39.15,27.7 39.13,27.68 39.1,27.66 39.07,27.65 39.04,27.65 39.01,27.65 38.98,27.66 38.95,27.68 38.93,27.7 38.91,27.73 38.9,27.76 38.9,27.79 38.9,27.95 38.89,27.99 38.88,28.02 38.86,28.05 38.84,28.07 38.81,28.09 38.78,28.1 38.75,28.1 38.25,28.1 37.75,27.6 37.41,27.6 37.38,27.6 37.35,27.61 37.32,27.63 37.3,27.65 37.28,27.68 37.27,27.71 37.26,27.74 37.26,28.2 37.26,28.24 37.25,28.27 37.23,28.3 37.21,28.32 37.18,28.34 37.15,28.35 37.12,28.35 37.09,28.35 37.06,28.34 37.03,28.32 37.01,28.3 36.99,28.27 36.98,28.24 36.97,28.2 36.97,27.74 36.97,27.71 36.96,27.68 36.94,27.65 36.92,27.63 36.89,27.61 36.86,27.6 36.83,27.6 36.8,27.6 36.77,27.61 36.74,27.63 36.72,27.65 36.7,27.68 36.69,27.71 36.69,27.74 36.69,28.2 36.68,28.24 36.67,28.27 36.65,28.3 36.63,28.32 36.6,28.34 36.57,28.35 36.54,28.35 36.51,28.35 36.48,28.34 36.45,28.32 36.43,28.3 36.41,28.27 36.4,28.24 36.4,28.2 36.4,27.74 36.39,27.71 36.38,27.68 36.36,27.65 36.34,27.63 36.31,27.61 36.28,27.6 36.25,27.6 35.8,27.6 35.45,27.95 35.15,27.95 34.6,28.5 33.4,28.5 33.2,28.3 33.2,27.85 32.8,27.45 v2(32.8,27.3)
